# KiCad board mtk64_R_rev2.kicad_pcb (continued)
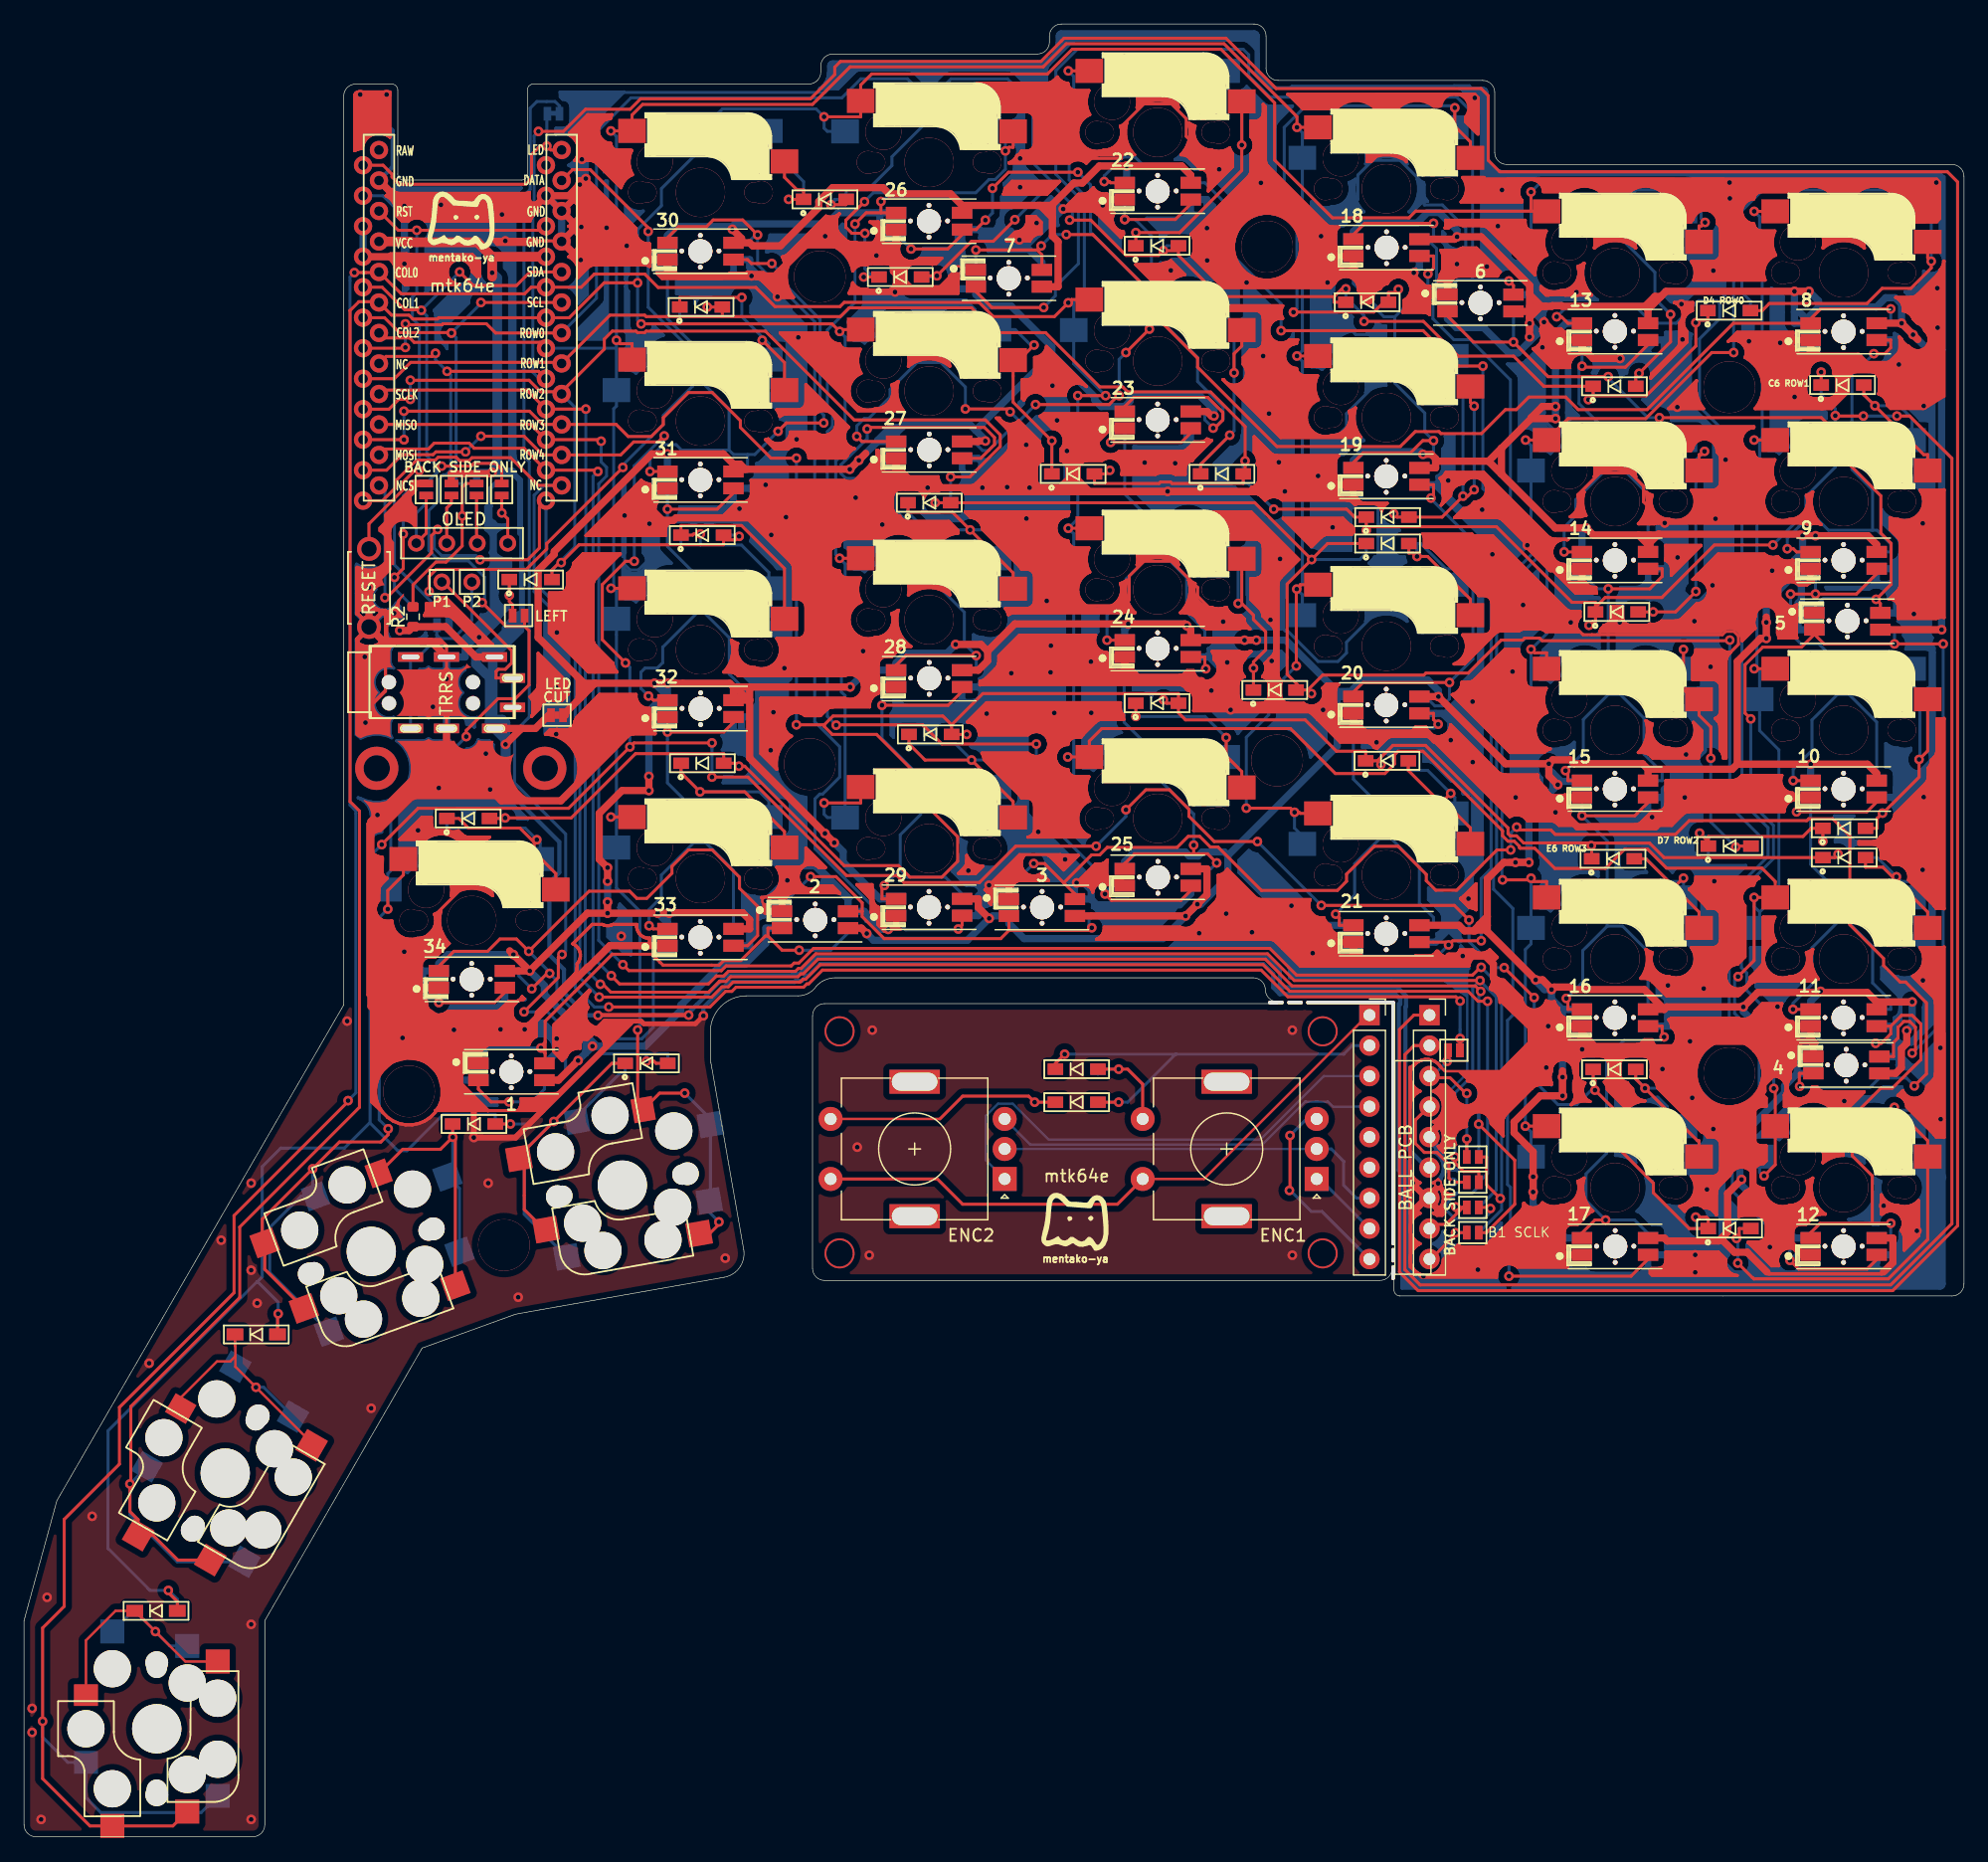
[diagram p0: board, top side]
## Routing (per net, layer and track width the routed paths; a pad name or vN(x,y) marks a point on that pad's centre or on a via; arc(x,y) is an arc through that point)
GND: length 14560.4
  Top w0.2: 133.25,65.72 133.23,65.72 133.1,65.6 ; 37.48,60.49 37.47,60.49
  Top w0.25: 34.46,108.9 33.95,108.39 33.95,106.96 30.21,103.21 v2(30.07,103.21) ; v2(31.68,73.73) 32.25,73.73 34.45,75.93 34.45,76.98 37.1,79.63 37.1,82.16 35.42,83.84 v2(32.83,83.84) ; 85.56,122.55 85.69,122.68 v2(85.69,120.88) ; v2(80.41,79.27) 82.96,81.82 86.34,81.82 v2(86.74,81.42) ; 105.81,145.14 105.79,145.16 ; v2(99.91,101.22) 97.78,103.34 97.78,104.07 95.6,106.25 93.32,106.25 92.09,105.02 92.09,103.03 91.6,102.55 85.61,102.55 v2(85.21,102.95) 85.21,108.12 v2(83.52,109.81) ; v2(128.87,101.16) 129.89,100.13 141.5,100.13 141.77,100.41 142.47,100.41 142.84,100.03 142.84,99.33 140.97,97.46 v2(140.52,97.46) ; 122.18,52.34 121.94,52.34 121.85,52.43 121.21,52.43 ; 43.07,60.49 34.26,60.49 34.81,61.04 34.81,62.6 ; 105.77,145.12 105.72,145.08 ; 48.78,67.75 49.08,67.45 49.08,66.5 ; v2(75.53,123.77) 75.53,126.29 ; v2(82.99,139.81) 91.43,139.81 91.43,142.46 93.32,144.35 95.6,144.35 96.84,143.12 96.84,141.64 v2(99.58,138.9) 99.65,138.83 ; v2(136.7,109.44) 134.94,111.2 134.94,112.5 133.83,113.6 131.29,113.6 129.5,111.81 129.5,110.06 ; v2(103.73,118.55) 103.24,119.04 v2(103.24,123.35) ; 120.89,145.15 105.55,145.15 ; v2(122.34,106.83) 120.64,108.53 116.47,108.53 ; v2(141.77,114.71) 141.77,110.63 v2(140.93,109.79) ; 31.62,67.22 31.62,66.39 ; v2(80.21,93.56) 85.78,93.56 v2(85.84,93.62) 85.84,85.05 v2(84.5,83.71) 84.24,83.45 ; v5(121.94,69.6) 121.15,69.6 120.32,70.43 105.46,70.43 103.24,72.65 66.34,72.65 65.12,71.43 64.91,71.43 64.71,71.23 64.64,71.21 64.56,71.19 59.07,71.19 58.68,70.8 58.68,70.8 58.15,70.8 57.3,69.95 v5(47.93,69.95) ; 93.07,130.87 93.46,130.48 v2(95.55,130.48) ; v2(37.99,106.38) 41.97,106.38 42.94,107.35 42.94,110.75 v6(43.49,111.3) ; v6(44.79,132.89) 44.74,132.94 v2(40.1,132.94)
  Top w0.254: 87.98,142.73 87.86,142.44 ; 87.98,142.73 87.86,142.44 ; 87.98,142.73 88.15,142.99 ; 87.98,142.73 88.15,142.99 ; 87.86,142.44 87.8,142.13 ; 87.86,142.44 87.8,142.13 ; 115.45,72.99 115.58,73.03 ; 115.45,72.99 115.58,73.03 ; 115.45,72.99 115.34,72.98 ; 115.45,72.99 115.34,72.98 ; 115.58,73.03 115.7,73.09 ; 115.58,73.03 115.7,73.09 ; 135.25,73.39 135.14,73.91 ; 135.25,73.39 135.25,72.86 ; 135.25,73.39 135.14,73.91 ; 135.25,73.39 135.25,72.86 ; 135.14,73.91 135.14,73.92 ; 135.14,73.91 135.14,73.92 ; 91.6,133.51 91.53,133.45 ; 91.6,133.51 91.6,133.52 ; 91.6,133.51 91.53,133.45 ; 91.6,133.51 91.6,133.52 ; 91.53,133.45 91.45,133.36 ; 91.53,133.45 91.45,133.36 ; 139.74,90.5 139.62,90.33 ; 139.74,90.5 139.78,90.55 ; 139.74,90.5 139.78,90.55 ; 139.74,90.5 139.62,90.33 ; 139.62,90.33 139.54,90.15 ; 139.62,90.33 139.54,90.15 ; 103.06,105 103.14,105.1 ; 103.06,105 102.96,104.93 ; 103.06,105 103.14,105.1 ; 103.06,105 102.96,104.93 ; 103.14,105.1 103.2,105.21 ; 103.14,105.1 103.2,105.21 ; 44.8,65.17 44.84,65.05 ; 44.8,65.17 44.74,65.28 ; 44.8,65.17 44.84,65.05 ; 44.8,65.17 44.74,65.28 ; 44.84,65.05 44.85,64.93 ; 44.84,65.05 44.85,64.93 ; 145.78,109.82 146.07,109.7 ; 145.78,109.82 145.52,109.99 ; 145.78,109.82 146.07,109.7 ; 145.78,109.82 145.52,109.99 ; 146.07,109.7 146.37,109.64 ; 146.07,109.7 146.37,109.64 ; 108.95,75.5 109.04,75.39 ; 108.95,75.5 108.88,75.63 ; 108.95,75.5 109.04,75.39 ; 108.95,75.5 108.88,75.63 ; 109.04,75.39 109.16,75.29 ; 109.04,75.39 109.16,75.29 ; 142.19,55.24 142.13,55.1 ; 142.19,55.24 142.13,55.1 ; 142.19,55.24 142.3,55.41 ; 142.19,55.24 142.3,55.41 ; 142.13,55.1 141.31,54.28 ; 142.13,55.1 141.31,54.28 ; 116.86,129.15 117.07,129.15 ; 116.86,129.15 116.66,129.19 ; 116.86,129.15 116.66,129.19 ; 116.86,129.15 117.07,129.15 ; 117.07,129.15 117.15,129.16 ; 117.07,129.15 117.15,129.16 ; 144.17,54.39 144.32,54.25 ; 144.17,54.39 144.11,54.49 ; 144.17,54.39 144.32,54.25 ; 144.17,54.39 144.11,54.49 ; 144.32,54.25 144.49,54.13 ; 144.32,54.25 144.49,54.13 ; 81.09,79.23 80.97,79.19 ; 81.09,79.23 80.97,79.19 ; 81.09,79.23 81.21,79.24 ; 81.09,79.23 81.21,79.24 ; 80.97,79.19 80.86,79.14 ; 80.97,79.19 80.86,79.14 ; 109.28,93.29 109.27,93.08 ; 109.28,93.29 109.27,93.08 ; 109.28,93.29 109.43,93.45 ; 109.28,93.29 109.43,93.45 ; 109.27,93.08 109.28,92.95 ; 109.27,93.08 107.78,93.08 ; 109.27,93.08 107.78,93.08 ; 109.27,93.08 109.28,92.95 ; 109.27,93.08 107.78,93.08 ; 109.27,93.08 107.78,93.08 ; 126.11,88.45 126.11,88.43 ; 126.11,88.45 126.11,88.43 ; 126.11,88.45 123.48,88.45 ; 126.11,88.45 123.48,88.45 ; 126.11,88.43 126.11,88.38 ; 126.11,88.43 126.11,88.38 ; 74.53,124.14 74.76,124.49 ; 74.53,124.14 74.23,123.85 ; 74.53,124.14 74.23,123.85 ; 74.53,124.14 74.76,124.49 ; 74.76,124.49 74.92,124.88 ; 74.76,124.49 74.92,124.88 ; 47.22,130.88 47.09,130.8 ; 47.22,130.88 47.37,130.92 ; 47.22,130.88 47.37,130.92 ; 47.22,130.88 47.09,130.8 ; 47.09,130.8 46.98,130.71 ; 47.09,130.8 46.98,130.71 ; 137.25,67.53 137.23,67.67 ; 137.25,67.53 137.25,67.49 ; 137.25,67.53 137.25,67.49 ; 137.25,67.53 137.23,67.67 ; 137.23,67.67 137.19,67.82 ; 137.23,67.67 137.19,67.82 ; 136.09,62.45 136.05,62.65 ; 136.09,62.45 136.09,62.39 ; 136.09,62.45 136.09,62.39 ; 136.09,62.45 136.05,62.65 ; 136.05,62.65 135.97,62.84 ; 136.05,62.65 135.97,62.84 ; 32.3,131.79 37.37,131.79 ; 32.3,131.79 37.37,131.79 ; 32.3,131.79 32.24,131.78 ; 32.3,131.79 32.24,131.78 ; 37.37,131.79 37.97,131.19 ; 37.37,131.79 37.97,131.19 ; 73.49,108.51 73.08,108.59 ; 73.49,108.51 73.08,108.59 ; 73.49,108.51 73.88,108.35 ; 73.49,108.51 73.88,108.35 ; 73.08,108.59 72.66,108.59 ; 73.08,108.59 72.66,108.59 ; 94.27,113.49 91.44,113.49 ; 94.27,113.49 94.39,113.55 ; 94.27,113.49 91.44,113.49 ; 94.27,113.49 94.39,113.55 ; 91.44,113.49 91.46,113.52 ; 91.44,113.49 91.46,113.52 ; 110.89,74.67 110.89,74.65 ; 110.89,74.67 110.63,74.67 ; 110.89,74.67 110.63,74.67 ; 110.89,74.67 110.89,74.65 ; 110.89,74.65 110.91,74.65 ; 110.89,74.65 110.91,74.65 ; 102.67,78.19 102.81,78.12 ; 102.67,78.19 102.56,78.29 ; 102.67,78.19 102.56,78.29 ; 102.67,78.19 102.81,78.12 ; 102.81,78.12 102.95,78.08 ; 102.81,78.12 102.95,78.08 ; 121.21,61.62 121.25,61.82 ; 121.21,61.62 121.13,61.44 ; 121.21,61.62 121.13,61.44 ; 121.21,61.62 121.25,61.82 ; 121.25,61.82 121.25,62.03 ; 121.25,61.82 121.25,62.03 ; 142.34,124.67 142.14,124.63 ; 142.34,124.67 142.55,124.67 ; 142.34,124.67 142.14,124.63 ; 142.34,124.67 142.55,124.67 ; 142.14,124.63 141.99,124.57 ; 142.14,124.63 141.99,124.57 ; 109.43,112.5 109.28,112.34 ; 109.43,112.5 110.63,112.5 ; 109.43,112.5 110.63,112.5 ; 109.43,112.5 109.28,112.34 ; 109.28,112.34 109.27,112.13 ; 109.28,112.34 109.27,112.13 ; 140.68,116.21 140.51,116.32 ; 140.68,116.21 140.82,116.07 ; 140.68,116.21 140.82,116.07 ; 140.68,116.21 140.51,116.32 ; 140.51,116.32 140.32,116.4 ; 140.51,116.32 140.32,116.4 ; 125.93,124.02 126.1,124.13 ; 125.93,124.02 125.74,123.94 ; 125.93,124.02 125.74,123.94 ; 125.93,124.02 126.1,124.13 ; 126.1,124.13 126.14,124.18 ; 126.1,124.13 126.14,124.18 ; 127.52,107.69 127.41,107.52 ; 127.52,107.69 127.66,107.83 ; 127.52,107.69 127.41,107.52 ; 127.52,107.69 127.66,107.83 ; 127.41,107.52 127.33,107.33 ; 127.41,107.52 127.33,107.33 ; 119.99,136.52 120.11,136.81 ; 119.99,136.52 119.82,136.27 ; 119.99,136.52 120.11,136.81 ; 119.99,136.52 119.82,136.27 ; 120.11,136.81 120.18,137.12 ; 120.11,136.81 120.18,137.12 ; 42.41,66.51 42.27,66.37 ; 42.41,66.51 42.27,66.37 ; 42.41,66.51 42.58,66.62 ; 42.41,66.51 42.58,66.62 ; 42.27,66.37 42.15,66.2 ; 42.27,66.37 42.15,66.2 ; 110.89,130.7 111.05,130.54 ; 110.89,130.7 110.89,131.55 ; 110.89,130.7 110.89,131.55 ; 110.89,130.7 111.05,130.54 ; 111.05,130.54 111.07,130.54 ; 111.05,130.54 111.07,130.54 ; 148.01,104.49 148.57,104.49 ; 148.01,104.49 148.57,104.49 ; 148.01,104.49 147.89,104.5 ; 148.01,104.49 147.89,104.5 ; 148.57,104.49 148.73,104.65 ; 148.57,104.49 148.73,104.65 ; 117.58,54.41 117.42,54.48 ; 117.58,54.41 117.65,54.17 ; 117.58,54.41 117.65,54.17 ; 117.58,54.41 117.42,54.48 ; 117.42,54.48 117.53,54.52 ; 117.42,54.48 117.53,54.52 ; 128.32,47.98 128.33,47.85 ; 128.32,47.98 128.33,48.19 ; 128.32,47.98 128.33,47.85 ; 128.32,47.98 128.33,48.19 ; 128.33,47.85 128.37,47.73 ; 128.33,47.85 128.37,47.73 ; 159.26,69.43 159.27,69.47 ; 159.26,69.43 159.26,63.59 ; 159.26,69.43 159.26,63.59 ; 159.26,69.43 159.27,69.47 ; 159.27,69.47 159.26,69.51 ; 159.27,69.47 159.26,69.51 ; 68.36,114.84 65.39,114.84 ; 68.36,114.84 68.46,114.89 ; 68.36,114.84 65.39,114.84 ; 68.36,114.84 68.46,114.89 ; 65.39,114.84 65.39,114.94 ; 65.39,114.84 65.39,114.94 ; 102.26,140.26 102.38,140.43 ; 102.26,140.26 102.38,140.43 ; 102.26,140.26 102.22,140.21 ; 102.26,140.26 102.22,140.21 ; 102.38,140.43 102.46,140.61 ; 102.38,140.43 102.46,140.61 ; 130.62,128.42 128.41,128.42 ; 130.62,128.42 130.47,128.56 ; 130.62,128.42 130.47,128.56 ; 130.62,128.42 128.41,128.42 ; 128.41,128.42 128.28,128.46 ; 128.41,128.42 128.28,128.46 ; 131.91,117.32 131.88,117.37 ; 131.91,117.32 131.88,117.37 ; 131.91,117.32 132.07,116.93 ; 131.91,117.32 132.07,116.93 ; 131.88,117.37 133.24,117.37 ; 131.88,117.37 133.24,117.37 ; 91.56,79.1 91.56,79.35 ; 91.56,79.1 91.58,79.1 ; 91.56,79.1 91.56,79.35 ; 91.56,79.1 91.58,79.1 ; 91.56,79.35 91.58,79.35 ; 91.56,79.35 91.58,79.35 ; 33.36,112.85 33.38,112.85 ; 33.36,112.85 33.38,112.85 ; 33.36,112.85 33.36,112.68 ; 33.36,112.85 33.36,112.68 ; 33.38,112.85 33.38,112.87 ; 33.38,112.85 33.38,112.87 ; 147.6,65.28 147.76,65.12 ; 147.6,65.28 147.6,65.49 ; 147.6,65.28 147.76,65.12 ; 147.6,65.28 147.6,65.49 ; 147.76,65.12 148.96,65.12 ; 147.76,65.12 148.96,65.12 ; 157.44,71.72 157.7,71.89 ; 157.44,71.72 157.36,71.69 ; 157.44,71.72 157.36,71.69 ; 157.44,71.72 157.7,71.89 ; 157.7,71.89 157.92,72.11 ; 157.7,71.89 157.92,72.11 ; 74.53,105.09 74.76,105.44 ; 74.53,105.09 74.76,105.44 ; 74.53,105.09 74.23,104.8 ; 74.53,105.09 74.23,104.8 ; 74.76,105.44 74.92,105.83 ; 74.76,105.44 74.92,105.83 ; 132.01,63.33 132.02,63.45 ; 132.01,63.33 131.97,63.21 ; 132.01,63.33 132.02,63.45 ; 132.01,63.33 131.97,63.21 ; 132.02,63.45 132.02,64.4 ; 132.02,63.45 132.02,64.4 ; 69.58,119.02 69.87,118.9 ; 69.58,119.02 69.87,118.9 ; 69.58,119.02 69.32,119.19 ; 69.58,119.02 69.32,119.19 ; 69.87,118.9 70.17,118.84 ; 69.87,118.9 70.17,118.84 ; 44.97,135.43 45.76,134.64 ; 44.97,135.43 44.61,135.43 ; 44.97,135.43 44.61,135.43 ; 44.97,135.43 45.76,136.21 ; 44.97,135.43 44.61,135.43 ; 44.97,135.43 44.61,135.43 ; 44.97,135.43 45.76,134.64 ; 44.97,135.43 45.76,136.21 ; 45.76,134.64 46,134.71 ; 45.76,134.64 46,134.71 ; 124.02,47.69 123.82,47.73 ; 124.02,47.69 124.21,47.61 ; 124.02,47.69 123.82,47.73 ; 124.02,47.69 124.21,47.61 ; 123.82,47.73 123.62,47.73 ; 123.82,47.73 123.62,47.73 ; 120.75,96.3 120.87,96.39 ; 120.75,96.3 120.62,96.23 ; 120.75,96.3 120.87,96.39 ; 120.75,96.3 120.62,96.23 ; 120.87,96.39 120.89,96.42 ; 120.87,96.39 120.89,96.42 ; 136.28,85.45 136.4,85.49 ; 136.28,85.45 136.16,85.44 ; 136.28,85.45 136.16,85.44 ; 136.28,85.45 136.4,85.49 ; 136.4,85.49 136.51,85.54 ; 136.4,85.49 136.51,85.54 ; 96.64,140.1 96.5,140.11 ; 96.64,140.1 96.81,140.04 ; 96.64,140.1 96.81,140.04 ; 96.64,140.1 96.5,140.11 ; 96.5,140.11 96.45,140.12 ; 96.5,140.11 96.45,140.12 ; 110.44,117.79 110.5,118.08 ; 110.44,117.79 110.33,117.52 ; 110.44,117.79 110.5,118.08 ; 110.44,117.79 110.33,117.52 ; 110.5,118.08 110.5,118.37 ; 110.5,118.08 110.5,118.37 ; 99.86,80.21 100.03,80.32 ; 99.86,80.21 99.67,80.13 ; 99.86,80.21 100.03,80.32 ; 99.86,80.21 99.67,80.13 ; 100.03,80.32 100.18,80.46 ; 100.03,80.32 100.18,80.46 ; 129.5,64.64 129.46,64.52 ; 129.5,64.64 129.55,64.75 ; 129.5,64.64 129.55,64.75 ; 129.5,64.64 129.46,64.52 ; 129.46,64.52 129.45,64.4 ; 129.46,64.52 129.45,64.4 ; 129.12,62.17 129.12,62.83 ; 129.12,62.17 129.12,62.83 ; 129.12,62.17 129.18,62.02 ; 129.12,62.17 129.18,62.02 ; 129.12,62.83 129.18,62.98 ; 129.12,62.83 129.18,62.98 ; 35.05,68.57 35.22,68.68 ; 35.05,68.57 34.86,68.49 ; 35.05,68.57 34.86,68.49 ; 35.05,68.57 35.22,68.68 ; 35.22,68.68 35.26,68.73 ; 35.22,68.68 35.26,68.73 ; 77.82,130.23 77.82,130.02 ; 77.82,130.23 77.98,130.39 ; 77.82,130.23 77.98,130.39 ; 77.82,130.23 77.82,130.02 ; 77.82,130.02 77.83,129.9 ; 77.82,130.02 77.83,129.9 ; 121.12,103.53 121.07,103.59 ; 121.12,103.53 121.14,103.51 ; 121.12,103.53 121.14,103.51 ; 121.12,103.53 121.07,103.59 ; 121.07,103.59 121.05,103.62 ; 121.07,103.59 121.05,103.62 ; 107.78,93.08 107.31,93.55 ; 107.78,93.08 107.31,93.55 ; 107.78,93.08 109.67,91.19 ; 107.78,93.08 109.67,91.19 ; 107.31,93.55 107.29,93.57 ; 107.31,93.55 107.29,93.57 ; 141.1,134.58 141.06,134.78 ; 141.1,134.58 141.06,134.78 ; 141.1,134.58 141.1,134.37 ; 141.1,134.58 141.1,134.37 ; 141.06,134.78 140.98,134.97 ; 141.06,134.78 140.98,134.97 ; 129.38,110.52 129.49,110.79 ; 129.38,110.52 129.21,110.28 ; 129.38,110.52 129.49,110.79 ; 129.38,110.52 129.21,110.28 ; 129.49,110.79 129.55,111.08 ; 129.49,110.79 129.55,111.08 ; 128.85,64.46 128.71,64.58 ; 128.85,64.46 128.97,64.32 ; 128.85,64.46 128.97,64.32 ; 128.85,64.46 128.71,64.58 ; 128.71,64.58 128.54,64.67 ; 128.71,64.58 128.54,64.67 ; 80.03,96.39 80.17,96.51 ; 80.03,96.39 79.87,96.31 ; 80.03,96.39 79.87,96.31 ; 80.03,96.39 80.17,96.51 ; 80.17,96.51 80.2,96.55 ; 80.17,96.51 80.2,96.55 ; 141.34,74.58 141.35,74.71 ; 141.34,74.58 141.35,74.71 ; 141.34,74.58 141.3,74.46 ; 141.34,74.58 141.3,74.46 ; 141.35,74.71 141.35,76.71 ; 141.35,74.71 141.35,76.71 ; 103.11,111.64 103.08,111.67 ; 103.11,111.64 103.08,111.67 ; 103.11,111.64 103.41,111.33 ; 103.11,111.64 103.41,111.33 ; 103.08,111.67 102.97,111.76 ; 103.08,111.67 102.97,111.76 ; 147.38,86.37 147.19,86.29 ; 147.38,86.37 147.47,86.38 ; 147.38,86.37 147.19,86.29 ; 147.38,86.37 147.47,86.38 ; 147.19,86.29 147.02,86.18 ; 147.19,86.29 147.02,86.18 ; 126.12,88.2 126.17,88.04 ; 126.12,88.2 126.11,88.38 ; 126.12,88.2 126.11,88.38 ; 126.12,88.2 126.17,88.04 ; 126.17,88.04 126.18,88.02 ; 126.17,88.04 126.18,88.02 ; 86.98,110.03 86.9,110.03 ; 86.98,110.03 86.98,110.12 ; 86.98,110.03 86.9,110.03 ; 86.98,110.03 86.98,110.12 ; 86.9,110.03 86.7,109.99 ; 86.9,110.03 86.7,109.99 ; 125.18,95.94 125.26,95.84 ; 125.18,95.94 125.12,96.05 ; 125.18,95.94 125.26,95.84 ; 125.18,95.94 125.12,96.05 ; 125.26,95.84 125.36,95.77 ; 125.26,95.84 125.36,95.77 ; 72.72,120.16 72.83,119.64 ; 72.72,120.16 72.72,120.69 ; 72.72,120.16 72.72,120.69 ; 72.72,120.16 72.83,119.64 ; 72.83,119.64 73.03,119.15 ; 72.83,119.64 73.03,119.15 ; 82.87,79.64 82.74,79.6 ; 82.87,79.64 82.98,79.65 ; 82.87,79.64 82.74,79.6 ; 82.87,79.64 82.98,79.65 ; 82.74,79.6 82.62,79.54 ; 82.74,79.6 82.62,79.54 ; 116.47,46.8 116.73,46.75 ; 116.47,46.8 116.21,46.9 ; 116.47,46.8 116.73,46.75 ; 116.47,46.8 116.21,46.9 ; 116.73,46.75 117.01,46.75 ; 116.73,46.75 117.01,46.75 ; 155.11,83.71 155.15,83.86 ; 155.11,83.71 155.04,83.58 ; 155.11,83.71 155.15,83.86 ; 155.11,83.71 155.04,83.58 ; 155.15,83.86 155.16,84.01 ; 155.15,83.86 155.16,84.01 ; 154.91,81.52 154.88,81.53 ; 154.91,81.52 154.88,81.53 ; 154.91,81.52 154.97,81.52 ; 154.91,81.52 154.97,81.52 ; 154.88,81.53 154.84,81.52 ; 154.88,81.53 154.84,81.52 ; 82.01,101.84 81.89,102.13 ; 82.01,101.84 81.89,102.13 ; 82.01,101.84 82.02,101.8 ; 82.01,101.84 82.02,101.8 ; 81.89,102.13 81.77,102.32 ; 81.89,102.13 81.77,102.32 ; 97.37,101.8 97.18,101.88 ; 97.37,101.8 97.18,101.88 ; 97.37,101.8 97.54,101.69 ; 97.37,101.8 97.54,101.69 ; 97.18,101.88 97.1,101.9 ; 97.18,101.88 97.1,101.9 ; 91.98,140.21 91.77,140.21 ; 91.98,140.21 92.18,140.17 ; 91.98,140.21 92.18,140.17 ; 91.98,140.21 91.77,140.21 ; 91.77,140.21 91.57,140.17 ; 91.77,140.21 91.57,140.17 ; 138.7,85.4 138.59,85.39 ; 138.7,85.4 138.74,85.4 ; 138.7,85.4 138.59,85.39 ; 138.7,85.4 138.74,85.4 ; 138.59,85.39 138.44,85.35 ; 138.59,85.39 138.44,85.35 ; 98.18,138.9 98.06,138.91 ; 98.18,138.9 98.06,138.91 ; 98.18,138.9 98.3,138.87 ; 98.18,138.9 98.3,138.87 ; 98.06,138.91 98.01,138.91 ; 98.06,138.91 98.01,138.91 ; 91.58,79.37 91.84,79.37 ; 91.58,79.37 91.84,79.37 ; 91.58,79.37 91.58,79.35 ; 91.58,79.37 91.58,79.35 ; 91.84,79.37 91.84,79.35 ; 91.84,79.37 91.84,79.35 ; 64.54,80.28 64.5,80.08 ; 64.54,80.28 64.62,80.47 ; 64.54,80.28 64.62,80.47 ; 64.54,80.28 64.5,80.08 ; 64.5,80.08 64.5,79.87 ; 64.5,80.08 64.5,79.87 ; 62.88,128.22 61.54,129.57 ; 62.88,128.22 64.11,128.22 ; 62.88,128.22 61.54,129.57 ; 62.88,128.22 64.11,128.22 ; 61.54,129.57 61.52,129.59 ; 61.54,129.57 61.52,129.59 ; 33.76,83.3 33.41,83.06 ; 33.76,83.3 34.15,83.46 ; 33.76,83.3 33.41,83.06 ; 33.76,83.3 34.15,83.46 ; 33.41,83.06 33.23,82.88 ; 33.41,83.06 33.23,82.88 ; 120.37,72.54 106.34,72.54 ; 120.37,72.54 106.34,72.54 ; 120.37,72.54 120.38,72.54 ; 120.37,72.54 120.38,72.54 ; 106.34,72.54 104.85,74.03 ; 106.34,72.54 104.85,74.03 ; 89.6,140.12 89.41,140.1 ; 89.6,140.12 89.64,140.11 ; 89.6,140.12 89.64,140.11 ; 89.6,140.12 89.41,140.1 ; 89.41,140.1 89.38,140.09 ; 89.41,140.1 89.38,140.09 ; 129.94,86.72 129.94,86.7 ; 129.94,86.72 129.94,86.7 ; 129.94,86.72 129.68,86.72 ; 129.94,86.72 129.68,86.72 ; 129.94,86.7 129.96,86.7 ; 129.94,86.7 129.96,86.7 ; 117.33,91.76 117.52,91.68 ; 117.33,91.76 117.52,91.68 ; 117.33,91.76 117.16,91.87 ; 117.33,91.76 117.16,91.87 ; 117.52,91.68 117.72,91.64 ; 117.52,91.68 117.72,91.64 ; 102.85,104.87 102.96,104.93 ; 102.85,104.87 102.73,104.83 ; 102.85,104.87 102.73,104.83 ; 102.85,104.87 102.96,104.93 ; 143.59,55.67 143.41,55.75 ; 143.59,55.67 143.76,55.56 ; 143.59,55.67 143.41,55.75 ; 143.59,55.67 143.76,55.56 ; 143.41,55.75 143.21,55.79 ; 143.41,55.75 143.21,55.79 ; 143.12,135.5 143.12,135.29 ; 143.12,135.5 143.12,135.29 ; 143.12,135.5 143.16,135.7 ; 143.12,135.5 143.16,135.7 ; 143.12,135.29 143.16,135.09 ; 143.12,135.29 143.16,135.09 ; 133.59,62.82 133.65,62.7 ; 133.59,62.82 133.51,62.82 ; 133.59,62.82 133.65,62.7 ; 133.59,62.82 133.51,62.82 ; 133.65,62.7 133.7,62.64 ; 133.65,62.7 133.7,62.64 ; 148.06,110.07 148.26,110.28 ; 148.06,110.07 147.81,109.91 ; 148.06,110.07 147.81,109.91 ; 148.06,110.07 148.26,110.28 ; 148.26,110.28 148.43,110.52 ; 148.26,110.28 148.43,110.52 ; 142.51,70.66 142.71,70.62 ; 142.51,70.66 142.32,70.73 ; 142.51,70.66 142.71,70.62 ; 142.51,70.66 142.32,70.73 ; 142.71,70.62 142.91,70.62 ; 142.71,70.62 142.91,70.62 ; 64.96,119.05 65.04,119.15 ; 64.96,119.05 65.04,119.15 ; 64.96,119.05 64.86,118.98 ; 64.96,119.05 64.86,118.98 ; 65.04,119.15 65.1,119.26 ; 65.04,119.15 65.1,119.26 ; 90.71,135.02 90.68,134.82 ; 90.71,135.02 90.79,135.21 ; 90.71,135.02 90.79,135.21 ; 90.71,135.02 90.68,134.82 ; 90.68,134.82 90.68,134.62 ; 90.68,134.82 90.68,134.62 ; 71.18,96.06 71.33,95.9 ; 71.18,96.06 71.33,95.9 ; 71.18,96.06 71.17,96.28 ; 71.18,96.06 71.17,96.28 ; 71.33,95.9 72.53,95.9 ; 71.33,95.9 72.53,95.9 ; 154.87,120 154.7,120.12 ; 154.87,120 155.01,119.86 ; 154.87,120 155.01,119.86 ; 154.87,120 154.7,120.12 ; 154.7,120.12 154.52,120.19 ; 154.7,120.12 154.52,120.19 ; 149.9,118.96 150.59,118.96 152,120.36 152,121.4 ; 149.9,118.96 149.79,118.97 ; 149.9,118.96 149.79,118.97 ; 110.93,119.02 110.93,119.01 ; 110.93,119.02 110.71,118.87 ; 110.93,119.02 110.71,118.87 ; 110.93,119.02 110.93,119.01 ; 110.93,119.01 110.83,118.49 ; 110.93,119.01 110.83,118.49 ; 111.74,72.98 115.28,72.98 ; 111.74,72.98 115.28,72.98 ; 111.74,72.98 111.71,72.98 ; 111.74,72.98 111.71,72.98 ; 115.28,72.98 115.31,72.98 ; 115.28,72.98 115.31,72.98 ; 122.59,70.4 122.43,70.52 ; 122.59,70.4 122.74,70.26 ; 122.59,70.4 122.74,70.26 ; 122.59,70.4 122.43,70.52 ; 122.43,70.52 122.24,70.6 ; 122.43,70.52 122.24,70.6 ; 84.01,105.41 83.91,105.49 ; 84.01,105.41 83.91,105.49 ; 84.01,105.41 84.09,105.31 ; 84.01,105.41 84.09,105.31 ; 83.91,105.49 83.8,105.55 ; 83.91,105.49 83.8,105.55 ; 46.27,65.69 46.34,65.68 ; 46.27,65.69 46.06,65.69 ; 46.27,65.69 46.34,65.68 ; 46.27,65.69 46.06,65.69 ; 46.34,65.68 46.32,65.75 ; 46.34,65.68 46.32,65.75 ; 93.58,145.69 93.81,146.04 ; 93.58,145.69 93.81,146.04 ; 93.58,145.69 93.28,145.4 ; 93.58,145.69 93.28,145.4 ; 93.81,146.04 93.97,146.43 ; 93.81,146.04 93.97,146.43 ; 45.38,134.15 45.4,134.16 ; 45.38,134.15 45.4,134.16 ; 45.38,134.15 45.51,134.09 ; 45.38,134.15 45.51,134.09 ; 45.4,134.16 45.51,134.22 ; 45.4,134.16 45.51,134.22 ; 126.52,52.8 126.52,52.81 ; 126.52,52.8 126.4,52.66 ; 126.52,52.8 126.4,52.66 ; 126.52,52.8 126.52,52.81 ; 126.52,52.81 126.73,52.67 ; 126.52,52.81 126.73,52.67 ; 79.44,130.37 79.18,130.37 ; 79.44,130.37 79.44,130.39 ; 79.44,130.37 79.44,130.39 ; 79.44,130.37 79.18,130.37 ; 79.18,130.37 79.18,130.39 ; 79.18,130.37 79.18,130.39 ; 148.8,66.13 148.24,66.13 ; 148.8,66.13 148.96,65.97 ; 148.8,66.13 148.96,65.97 ; 148.8,66.13 148.24,66.13 ; 148.24,66.13 148.11,66.12 ; 148.24,66.13 148.11,66.12 ; 72.97,75.59 72.98,75.58 ; 72.97,75.59 72.95,75.59 ; 72.97,75.59 72.95,75.59 ; 72.97,75.59 72.98,75.58 ; 72.98,75.58 71.98,75.58 ; 72.98,75.58 71.98,75.58 ; 144.01,100.49 143.98,100.45 ; 144.01,100.49 144.15,100.6 ; 144.01,100.49 143.98,100.45 ; 144.01,100.49 144.15,100.6 ; 143.98,100.45 143.15,99.62 ; 143.98,100.45 143.15,99.62 ; 134.94,71.85 135.14,72.34 ; 134.94,71.85 134.71,71.51 ; 134.94,71.85 134.71,71.51 ; 134.94,71.85 135.14,72.34 ; 135.14,72.34 135.25,72.86 ; 135.14,72.34 135.25,72.86 ; 102.21,138.66 102.22,138.77 ; 102.21,138.66 102.17,138.52 ; 102.21,138.66 102.22,138.77 ; 102.21,138.66 102.17,138.52 ; 102.22,138.77 102.22,138.81 ; 102.22,138.77 102.22,138.81 ; 152.88,82.68 152.88,82.89 ; 152.88,82.68 152.88,82.89 ; 152.88,82.68 154.09,82.68 ; 152.88,82.68 154.09,82.68 ; 152.88,82.89 154.08,82.89 ; 152.88,82.89 154.08,82.89 ; 104.49,104.49 104.48,104.35 ; 104.49,104.49 104.48,104.35 ; 104.49,104.49 104.49,104.5 ; 104.49,104.49 104.49,104.5 ; 104.48,104.35 104.48,104.32 ; 104.48,104.35 104.48,104.32 ; 91.58,136.23 91.58,136.25 ; 91.58,136.23 91.84,136.23 ; 91.58,136.23 91.58,136.25 ; 91.58,136.23 91.84,136.23 ; 91.58,136.25 90.38,136.25 ; 91.58,136.25 90.38,136.25 ; 94.87,146.85 94.95,146.43 ; 94.87,146.85 94.87,147.27 ; 94.87,146.85 94.87,147.27 ; 94.87,146.85 94.95,146.43 ; 94.95,146.43 95.11,146.04 ; 94.95,146.43 95.11,146.04 ; 104.09,74.71 103.94,74.75 ; 104.09,74.71 104.22,74.64 ; 104.09,74.71 103.94,74.75 ; 104.09,74.71 104.22,74.64 ; 103.94,74.75 103.83,74.76 ; 103.94,74.75 103.83,74.76 ; 99.22,77.82 